# Allegro board fscvmotherboardv2.brd (continued)
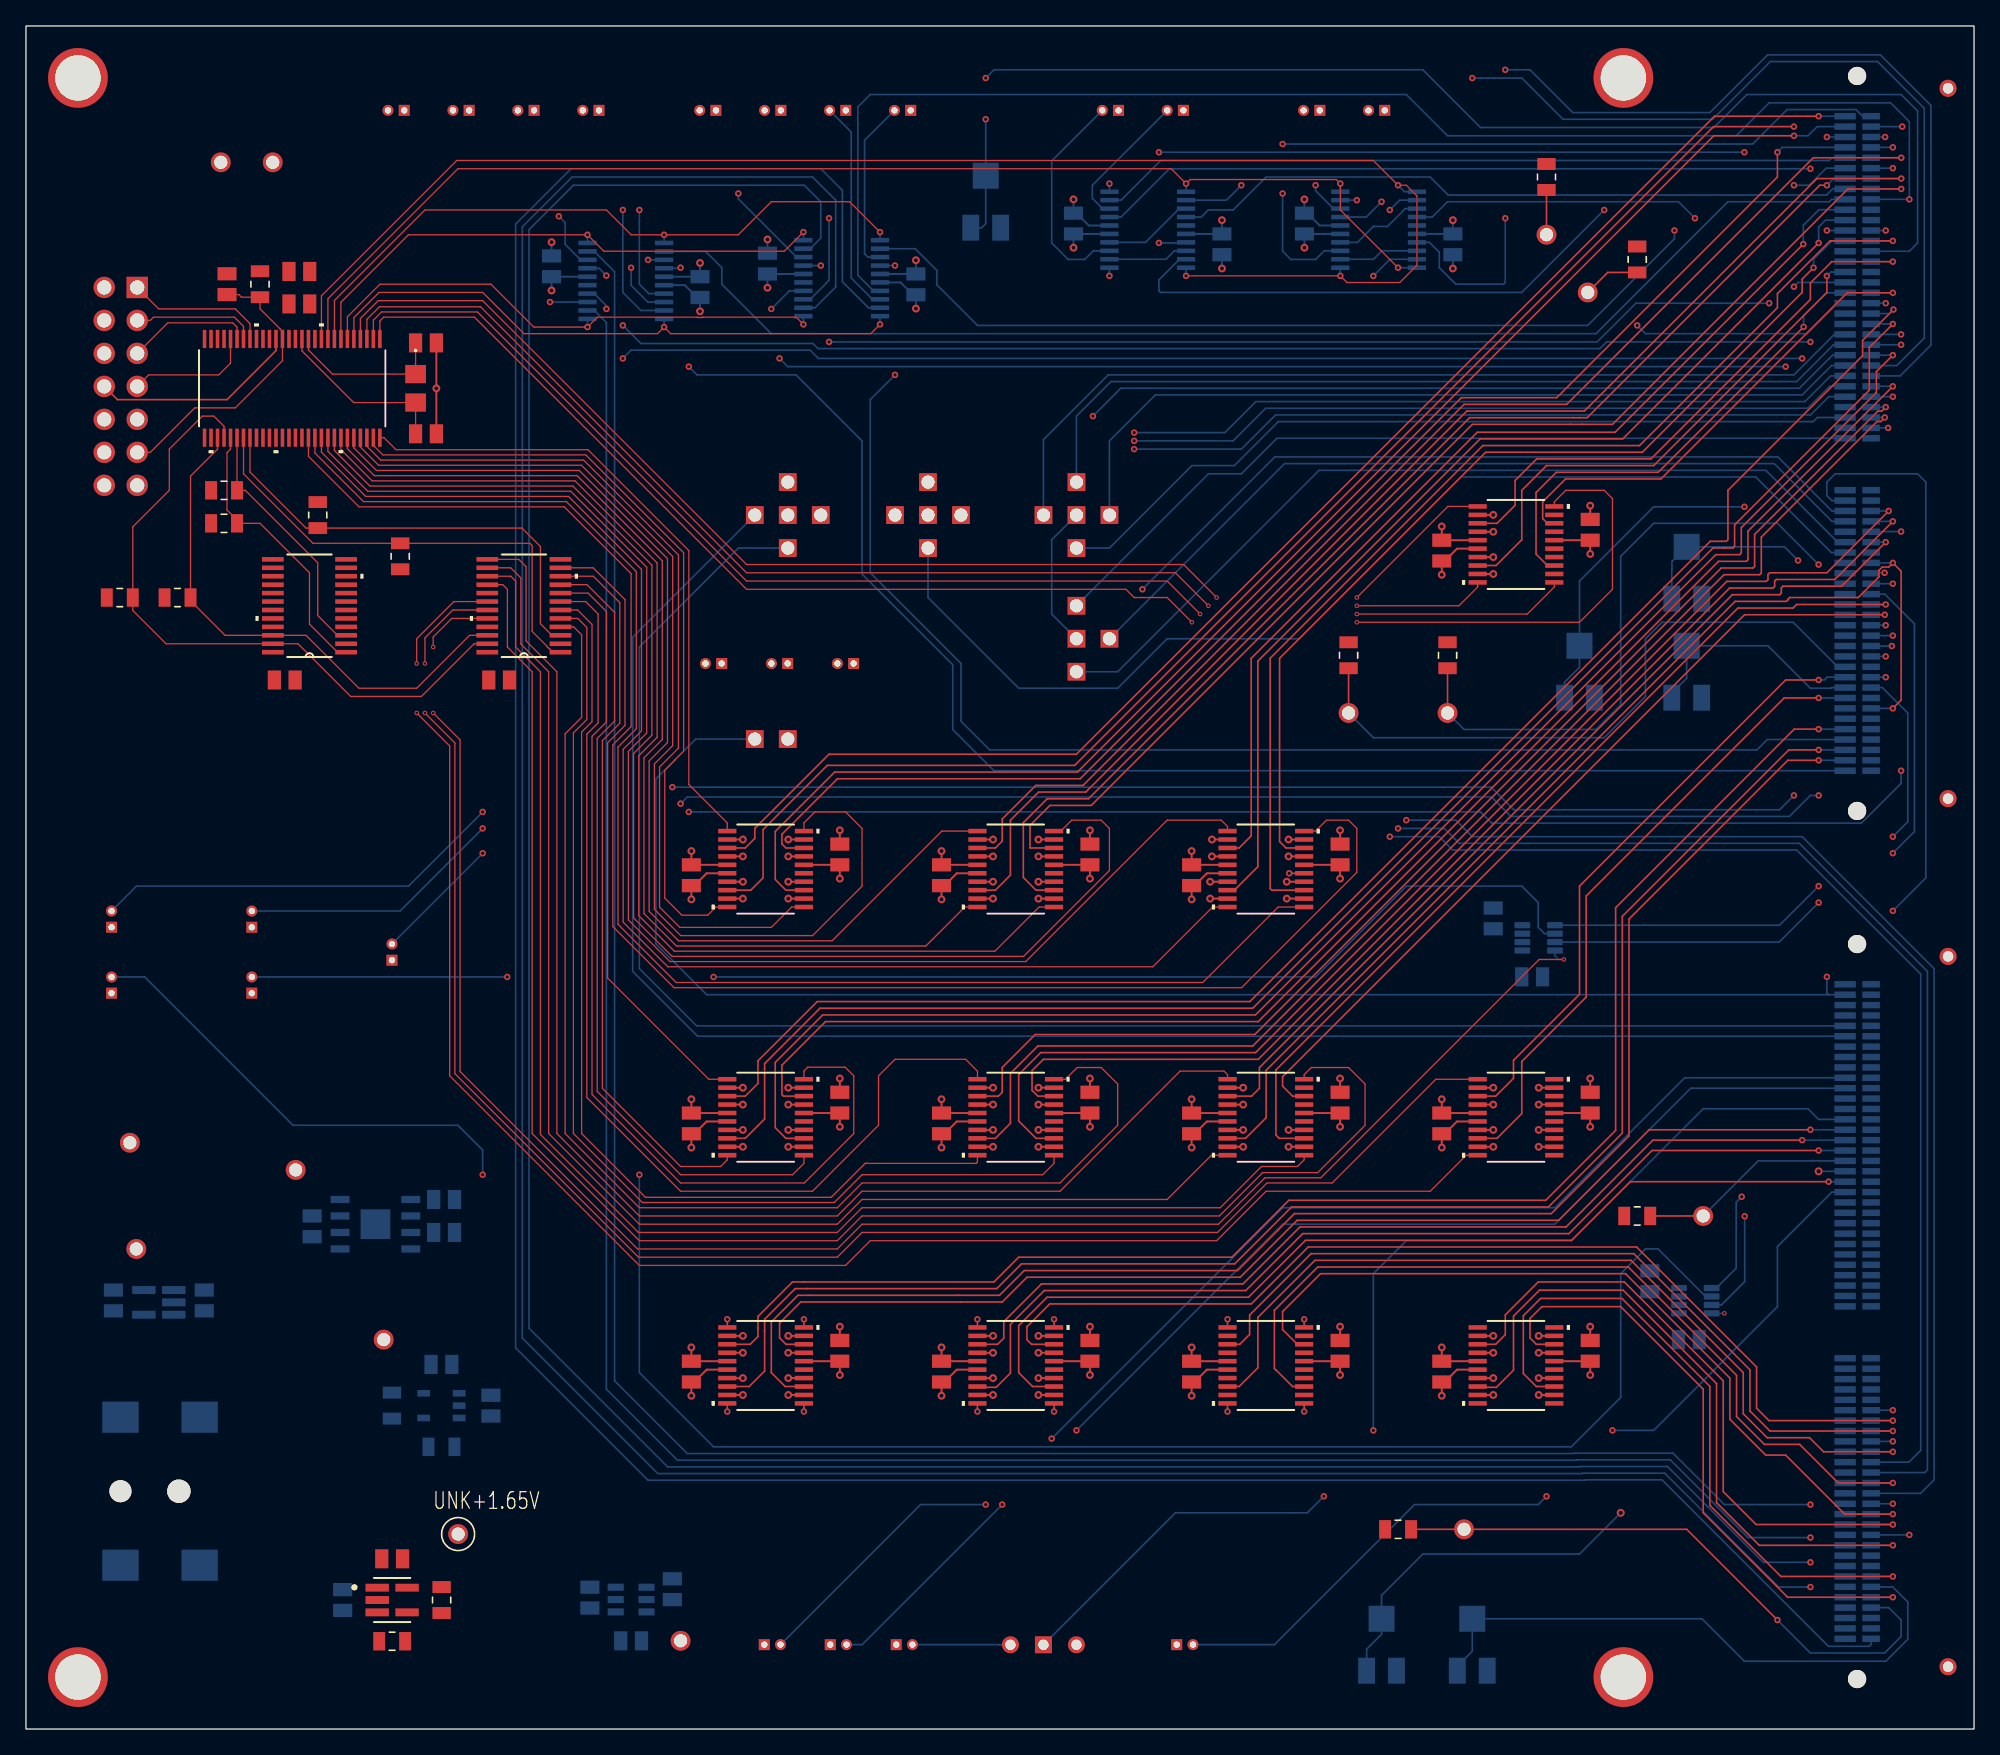
[diagram p0: board, top side]
## Routing (per net, layer and track width the routed paths; a pad name or vN(x,y) marks a point on that pad's centre or on a via; arc(x,y) is an arc through that point) (continued)
HP_BYPASS_EN_6: length 98.6
  TOP w0.127: v2(144.4,119.4) 137.9,119.4 120,101.5 110.95,101.5 81.6,72.15 77.97,72.15 75.81,69.99 75.81,65.76 74.64,64.6 U13.8
  BOTTOM w0.127: J1.67 v2(144.4,119.4)
HP_BYPASS_EN_6_SEL: length 84.4
  TOP w0.1: U13.10 72.29,63.3 69.29,60.3 50.08,60.3 47.58,62.8 47.58,74.79 48.99,76.2 48.99,89.96 42.44,96.52 26.82,96.52 24.75,98.59 U1.51
HP_BYPASS_EN_7: length 122.8
  TOP w0.127: v2(143.75,108.2) 141.93,106.38 141.93,103.1 131.56,92.73 131.56,91.08 131.44,90.95 130.77,90.95 129.9,90.95 94.46,55.51 61.14,55.51 56.88,51.25 56.88,46.98 55.38,45.49 U15.8
  BOTTOM w0.127: v2(143.75,108.2) J1.81
HP_BYPASS_EN_7_SEL: length 56
  TOP w0.1: U4.10 43.68,88.78 45.72,86.73 45.72,77.46 44.39,76.12 44.39,49.34 50.41,43.32 53.49,43.32 54,43.83 U15.10
HP_BYPASS_EN_8: length 95.6
  TOP w0.127: U14.3 74.87,48.74 75.17,49.04 75.17,50.94 77.71,53.48 94.61,53.48 130.54,89.41 132.98,89.41 133.11,89.54 133.11,92 142.6,101.49 142.89,101.49 v2(143.2,101.8)
  BOTTOM w0.127: J1.89 v2(143.2,101.8)
HP_BYPASS_EN_8_SEL: length 81.4
  TOP w0.1: U4.7 43.09,86.83 44.06,85.87 44.06,77.48 43.19,76.61 43.19,48.64 50.41,41.42 60.56,41.42 65.65,46.5 65.65,50.31 66.91,51.58 72.35,51.58 73.27,50.66 73.27,50.04 U14.1
HP_BYPASS_EN_D: length 89.1
  TOP w0.127: v2(143.75,93) 139.28,88.53 134.78,88.53 134.65,88.4 134.65,87.99 134.52,87.87 131.18,87.87 94.89,51.58 78.34,51.58 77.47,50.7 77.47,49.18 77.91,48.74 U14.18
  BOTTOM w0.127: v2(143.75,93) J1.96
HP_BYPASS_EN_D_SEL: length 97.3
  TOP w0.1: U4.4 42.17,84.88 42.78,84.26 42.78,77.91 41.52,76.64 41.52,45.86 47.23,40.15 62.47,40.15 64.38,42.05 79.62,42.05 84.06,46.5 84.06,49.67 82.79,50.94 80.94,50.94 80.04,50.04 U14.20
HPF_OUT_BUF: length 133.4
  POWER w0.127: v2(143.2,82.6) 144.38,81.42 v2(144.38,73.8) ; v2(35.17,67.44) 47.86,67.44 v2(51.04,70.62)
  BOTTOM w0.127: J1.109 v2(143.2,82.6) ; J20.1 v2(35.17,67.44) ; v2(51.04,70.62) 112,70.62 112.86,69.76 141.32,69.76 144.38,72.83 v2(144.38,73.8)
IBX_PR: length 16.8
  TOP w0.127: R14.1 IBX_PR.TP
  BOTTOM w0.127: J1.138 133.38,43.75 IBX_PR.TP
IIN_PR: length 94.6
  POWER w0.127: v2(80.89,23) v2(75.17,17.29)
  BOTTOM w0.127: J23.1 64.38,6.5 v2(75.17,17.29) ; J1.131 128.19,49.35 117.72,38.88 96.76,38.88 v2(80.89,23)
INT1: length 36.8
  TOP w0.1: 41.16,82.93 40.58,82.93 40.28,83.22 40.25,83.22 40.14,83.32 40.14,83.36 38.97,84.53 38.97,91.14 38.8,91.31 R2.1 22.1,91.31 16.75,96.66 U1.35
INT2: length 21.9
  TOP w0.1: 24.65,82.93 23.99,82.93 21.83,85.08 21.83,89.04 18.02,92.85 R6.1 16.25,93.1 15.48,93.87 15.48,98.3 15.75,98.56 U1.33
IREF_EN_12: length 40.6
  TOP w0.127: v2(138.67,111.9) 138.67,110.63 125.34,97.3 117.08,97.3 115.17,95.39 115.17,91.58 113.19,89.6 U19.8
  BOTTOM w0.127: J1.16 138.97,112.2 v2(138.67,111.9)
IREF_EN_12_SEL: length 97.9
  TOP w0.1: v1(91.05,86.5) 88.5,89.04 55.48,89.04 35,109.53 27.21,109.53 26.25,108.56 U1.3 ; v1(102.47,86.5) 110.33,86.5 111.78,87.95 U19.10
  POWER w0.1: v1(91.05,86.5) v1(102.47,86.5)
IREF_EN_34: length 52.2
  TOP w0.127: U9.13 116.3,26.38 115.3,27.38 115.3,31.83 116.63,33.16 122.89,33.16 129.66,26.39 129.66,17.22 135.13,11.75 v2(143.75,11.75)
  BOTTOM w0.127: v2(143.75,11.75) J1.234
IREF_EN_56: length 49.3
  TOP w0.127: U10.8 113.27,45.49 115.17,47.39 115.17,51.41 120.13,56.37 120.13,64.15 135.38,79.4 v2(138.03,79.4)
  BOTTOM w0.127: v2(138.03,79.4) J1.53
IREF_EN_56_SEL: length 130
  TOP w0.1: v1(30.08,78.25) 32.62,75.71 32.62,50.31 47.23,35.7 63.1,35.7 65.01,37.61 91.68,37.61 95.49,41.42 108.13,41.42 110.9,44.19 U10.10 ; U4.18 32.95,86.83 30.08,83.96 v1(30.08,82.06)
  POWER w0.1: v1(30.08,78.25) v1(30.08,82.06)
IREF_EN_78: length 43.9
  TOP w0.127: v2(143.75,113) 139.04,113 137.4,111.36 137.4,110.09 125.12,97.81 116.32,97.81 114.66,96.15 114.66,94.24 113.27,92.85 U19.3
  BOTTOM w0.127: v2(143.75,113) J1.75
IREF_EN_78_SEL: length 100.6
  TOP w0.1: v1(91.68,87.14) 89.14,89.68 55.48,89.68 35.17,110 27.12,110 25.75,108.63 U1.4 ; v1(102.47,87.14) 109.49,94.15 U19.1
  POWER w0.1: v1(91.68,87.14) v1(102.47,87.14)
IREF_EN_D: length 70.2
  TOP w0.127: U21.13 96.5,45.49 96.25,45.74 96.25,50.75 131.82,86.32 136.06,86.32 136.34,86.6 v2(143.2,86.6)
  BOTTOM w0.127: J1.104 v2(143.2,86.6)
IREF_EN_D_SEL: length 110.3
  TOP w0.1: U21.11 98.42,43.83 97.91,43.32 95.13,43.32 91.96,40.15 64.38,40.15 62.47,38.24 47.16,38.24 39.61,45.79 39.61,81.42 37.7,83.33 37.7,88.41 37.33,88.78 U4.15
IREF_IBX_12: length 26.6
  TOP w0.127: R15.1 121.8,112.17 IREF_IBX_12.TP
  POWER w0.127: v2(124.06,108.09) 121.53,110.63 IREF_IBX_12.TP
  BOTTOM w0.127: v2(124.06,108.09) 124.7,107.46 137.16,107.46 139.5,109.8 J1.19
IREF_IBX_34: length 46.2
  TOP w0.127: v2(134.86,8.4) 127.88,15.38 IREF_IBX_34.TP R16.1
  BOTTOM w0.127: v2(134.86,8.4) 137.4,5.86 143.12,5.86 144.38,7.12 144.38,8.4 143.43,9.35 J1.237
IREF_IBX_56: length 50.2
  TOP w0.127: R17.1 IREF_IBX_56.TP
  BOTTOM w0.127: J1.50 139.5,81.8 136.07,85.23 125.97,85.23 124.7,83.96 124.7,79.52 121.53,76.34 103.75,76.34 IREF_IBX_56.TP
IREF_IBX_78: length 31.9
  TOP w0.127: R18.1 IREF_IBX_78.TP
  POWER w0.127: v2(143.2,115.4) 140.26,115.4 138.67,113.81 121.53,113.81 120.25,115.08 IREF_IBX_78.TP
  BOTTOM w0.127: J1.72 v2(143.2,115.4)
IREF_IBX_D: length 53.5
  TOP w0.127: R19.1 IREF_IBX_D.TP
  POWER w0.127: v2(138.03,89.68) 138.67,89.04 v2(143.12,89.04)
  BOTTOM w0.127: J1.101 142.12,89.04 v2(143.12,89.04) ; IREF_IBX_D.TP 110.73,76.98 120.89,76.98 122.8,78.88 122.8,90.31 125.34,92.85 134.86,92.85 v2(138.03,89.68)
IREF_OFF_CHIP_PR: length 67.4
  POWER w0.127: v2(117.08,17.92) v2(122.16,23)
  BOTTOM w0.127: J1.141 139.06,41.35 134.86,37.15 134.86,32.53 125.34,23 v2(122.16,23) ; v2(117.08,17.92) 116.44,17.29 106.92,17.29 96.14,6.5 J24.1
IREF_REXT_12: length 48
  POWER w0.127: v2(132.32,94.12) 132.95,94.76 132.95,109.36 134.67,111.07 v2(136.13,111.07)
  BOTTOM w0.127: J1.17 136.46,111.4 v2(136.13,111.07) ; v2(132.32,94.12) 125.34,94.12 119.62,88.41 VR1.2 119.62,81.76 118.47,80.61 VR1.1
IREF_REXT_34: length 46.2
  BOTTOM w0.127: J1.235 142.94,10.95 142.96,10.94 143.75,10.94 144.9,9.79 144.9,6.91 143.21,5.22 132.32,5.22 129.05,8.49 111.36,8.49 111.36,5.99 110.22,4.84 110.22,4.49
IREF_REXT_56: length 18.1
  BOTTOM w0.127: VR3.1 126.72,79.77 127.88,80.92 VR3.2 134.13,83.42 137.4,80.15 139.01,80.15 139.06,80.2 J1.52
IREF_REXT_78: length 101.9
  POWER w0.127: v2(73.9,127.14) v2(73.9,123.97)
  BOTTOM w0.127: v2(73.9,123.97) VR5.2 73.9,115.92 73.59,115.62 VR5.1 ; J1.74 145.01,113.8 145.66,114.44 145.66,124.6 144.38,125.87 132.5,125.87 129.96,123.33 112,123.33 107.56,127.78 74.53,127.78 v2(73.9,127.14)
IREF_REXT_D: length 23.2
  POWER w0.127: v2(143.75,88.2) 138.24,88.2 v2(136.45,89.99)
  BOTTOM w0.127: v2(143.75,88.2) J1.102 ; v2(136.45,89.99) 135.4,91.04 VR6.2 126.74,89.91 126.74,89.35 126.72,89.33 VR6.1
IREF_SWITCH_PR: length 75
  TOP w0.127: U24.13 77.51,26.38 76.44,27.45 76.44,31.07 78.62,33.25 94.14,33.25 98.52,37.64 119.02,37.64 123.53,42.15 v2(138.8,42.15)
  BOTTOM w0.127: J1.140 v2(138.8,42.15)
IREF_SWITCH_PR_SEL: length 0.6
  TOP w0.127: U24.11 v2(79.16,24.45)
IREF_TEST_12: length 37.2
  TOP w0.127: U19.13 117.16,89.6 116.27,90.48 116.27,95.22 117.84,96.78 125.68,96.78 v2(136.88,107.98)
  BOTTOM w0.127: v2(136.88,107.98) 136.88,108.84 138.64,110.6 J1.18
IREF_TEST_12_SEL: length 103.5
  TOP w0.1: v1(90.41,85.87) 87.87,88.41 55.48,88.41 34.77,109.12 27.38,109.12 26.75,108.5 U1.2 ; U19.11 117.68,87.95 115.6,85.87 v1(102.47,85.87)
  POWER w0.1: v1(90.41,85.87) v1(102.47,85.87)
IREF_TEST_34: length 48.4
  TOP w0.127: v2(143.75,10.15) 135.65,10.15 129.15,16.65 129.15,26.18 122.8,32.53 116.72,32.53 115.81,31.61 115.81,30.11 116.3,29.63 U9.18
  BOTTOM w0.127: v2(143.75,10.15) J1.236
IREF_TEST_56: length 47.4
  TOP w0.127: U10.3 113.16,48.74 114.54,50.11 114.54,51.5 119.62,56.58 119.62,64.91 135.5,80.79 v2(138.03,80.79)
  BOTTOM w0.127: J1.51 138.69,81 138.48,80.79 v2(138.03,80.79)
IREF_TEST_56_SEL: length 130.5
  TOP w0.1: v1(30.72,82.06) 30.72,84.03 32.87,86.18 U4.19 ; U10.1 108.56,50.04 100.57,42.05 95.56,42.05 91.75,38.24 64.38,38.24 62.47,36.34 47.16,36.34 33.03,50.47 33.03,75.94 v1(30.72,78.25)
  POWER w0.1: v1(30.72,82.06) v1(30.72,78.25)
IREF_TEST_78: length 84
  TOP w0.127: U12.13 95.93,64.6 95.8,64.73 95.8,82.46 112.18,98.84 124.25,98.84 134.86,109.45 134.86,110.54 138.92,114.6 v2(143.75,114.6)
  BOTTOM w0.127: v2(143.75,114.6) J1.73
IREF_TEST_78_SEL: length 114.6
  TOP w0.1: U1.46 22.25,98.26 25.99,94.52 41.61,94.52 47,89.14 47,77.03 45.58,75.62 45.58,61.97 50.07,57.49 90.61,57.49 96.42,63.3 U12.11
IREF_TEST_D: length 70.6
  TOP w0.127: v2(143.2,91.4) 139.81,88.01 135.29,88.01 135.16,87.89 135.16,87.48 135.03,87.35 131.39,87.35 94.98,50.94 94.98,49.34 94.37,48.74 U21.3
  BOTTOM w0.127: J1.98 v2(143.2,91.4)
IREF_TEST_D_SEL: length 107.2
  TOP w0.1: U21.1 92.52,50.39 92.25,50.67 88.87,50.67 79.62,41.42 64.38,41.42 62.47,39.51 47.23,39.51 40.88,45.86 40.88,81.42 38.5,83.8 38.5,89.51 37.94,90.08 U4.13
Net_50: length 1.2
  TOP w0.15: 117.68,48.09 v3(116.48,48.09)
Net_51: length 1.2
  TOP w0.15: 117.68,49.39 v3(116.48,49.39)
Net_52: length 1.2
  TOP w0.15: 117.68,46.14 v3(116.48,46.14)
Net_53: length 1.2
  TOP w0.15: 117.68,44.84 v3(116.48,44.84)
RESET1: length 35.3
  TOP w0.1: 41.16,84.23 40.5,84.23 39.61,85.11 39.61,91.07 38.19,92.49 R3.1 21.56,92.49 17.25,96.8 U1.36
RESET2: length 19.5
  TOP w0.1: 24.65,84.23 23.99,84.23 22.47,85.75 22.47,89.81 16.89,95.39 R7.1 U1.34
REXT_PR: length 62.3
  POWER w0.127: v4(122.8,16.65) 134.22,28.08 134.22,39.64 137.54,42.95 v4(138.03,42.95)
  BOTTOM w0.127: VR4.1 103.23,6.15 104.38,7.3 VR4.2 104.38,10.3 107.56,13.48 119.62,13.48 v4(122.8,16.65) ; v4(138.03,42.95) J1.139
RST: length 22.3
  TOP w0.1: 15.48,110.47 16.39,110.47 16.59,110.27 R1.2 18.02,109.37 19.57,107.82 19.57,107.81 19.75,107.63 U1.16 19.75,105.38 16.11,101.74 12.99,101.74 9.57,98.31 J2.11
SCL: length 40.7
  TOP w0.1: U1.31 14.75,98.56 12.67,96.49 R5.1 12.67,86.89 15.33,84.23 21.56,84.23 25.64,80.15 30.08,80.15 34.16,84.23 35.52,84.23
SDA: length 51.8
  TOP w0.1: U1.32 15.25,100.32 14.47,101.11 13.58,101.11 11.03,98.56 11.03,95.39 8.22,92.58 R4.1 8.22,86.14 10.78,83.58 U6.23 20.94,83.58 25,79.52 30.45,79.52 34.51,83.58 U4.23
SEL1_PR: length 76.6
  TOP w0.127: U24.8 73.32,26.31 74.71,26.31 75.81,27.41 75.81,31.16 78.41,33.77 93.92,33.77 98.31,38.15 118.8,38.15 125.2,44.55 v2(138.03,44.55)
  BOTTOM w0.127: v2(138.03,44.55) J1.137
SEL1_PR_SEL: length 0.6
  TOP w0.127: U24.10 v2(73.26,24.45)
SEL2_PR: length 74.1
  TOP w0.127: U24.3 74.81,29.63 75.29,30.11 75.29,31.38 78.19,34.28 93.71,34.28 98.09,38.66 118.59,38.66 125.28,45.35 v2(136.76,45.35)
  BOTTOM w0.127: J1.136 v2(136.76,45.35)
SEL2_PR_SEL: length 0.6
  TOP w0.127: U24.1 v2(73.26,31.55)
SEL3_PR: length 91.4
  TOP w0.127: U17.18 58.52,29.63 58.02,30.12 58.02,31.26 59.66,32.89 72,32.89 72,32.89 75.17,32.89 77.08,34.79 93.5,34.79 97.88,39.18 118.02,39.18 124.99,46.15 v2(137.4,46.15)
  BOTTOM w0.127: J1.135 v2(137.4,46.15)
SEL3_PR_SEL: length 0.6
  TOP w0.127: U17.20 v2(59.9,31.55)
SENSOR_1: length 98.6
  BOTTOM w0.127: J1.9 139.04,117.8 138.85,117.62 131.05,117.62 120.89,107.46 57.39,107.46 53.58,111.27 53.58,112.53 52.33,113.79 U20.2
SENSOR_2: length 116.3
  POWER w0.127: v2(45.96,116.98) 45.96,124.06 50.71,128.8 115.42,128.8 122.16,122.06 137.4,122.06 137.94,122.6 v2(138.67,122.6)
  BOTTOM w0.127: v2(138.67,122.6) J1.3 ; v2(45.96,116.98) 45.96,110.63 47.35,109.24 U20.9
SENSOR_3: length 192.3
  POWER w0.127: v2(137.4,17.29) 143.24,17.29 143.31,17.35 v2(143.75,17.35)
  BOTTOM w0.127: J1.227 v2(143.75,17.35) ; U20.19 43.76,113.79 45.33,112.22 45.33,26.81 50.92,21.22 119.2,21.22 119.23,21.25 126.82,21.25 130.78,17.29 v2(137.4,17.29)
SENSOR_4: length 197.4
  POWER w0.127: v2(143.75,22.15) 144.38,21.52 144.38,15.38 143.75,14.75 v2(137.4,14.75)
  BOTTOM w0.127: v2(137.4,14.75) 132.6,14.75 126.61,20.73 119.44,20.73 119.41,20.7 50.16,20.7 44.69,26.18 44.69,108.31 43.76,109.24 U20.12 ; v2(143.75,22.15) J1.221
SENSOR_5: length 120
  POWER w0.127: v2(51.04,104.92) 50.41,105.55 v2(50.41,112.53)
  BOTTOM w0.127: v2(50.41,112.53) 50.36,112.49 U20.4 ; v2(51.04,104.92) 51.67,104.28 59.3,104.28 64.38,99.2 64.38,88.95 71.36,81.96 71.36,76.98 74.53,73.8 J1.60
SENSOR_6: length 119.2
  POWER w0.127: v2(47.23,116.98) 47.23,124.6 50.92,128.29 114.66,128.29 123.43,119.52 143.07,119.52 v2(143.75,120.2)
  BOTTOM w0.127: v2(47.23,116.98) 47.23,111.27 47.95,110.54 U20.7 ; J1.66 v2(143.75,120.2)
SENSOR_7: length 108
  POWER w0.127: v2(45.96,108.09) 45.96,110.66 v2(44.69,111.93) ; v2(137.4,106.82) 143.81,106.82 v2(144.38,107.4)
  BOTTOM w0.127: J1.82 v2(144.38,107.4) ; v2(45.96,108.09) 47.35,106.7 60.59,106.7 60.99,106.31 121.19,106.31 121.71,106.82 v2(137.4,106.82) ; U20.17 44.13,112.49 v2(44.69,111.93)
SENSOR_8: length 107.6
  POWER w0.127: v2(45.96,105.55) 44.69,106.82 v2(44.69,109.36) ; v2(143.75,102.6) 140.35,102.6 137.4,105.55 v2(136.76,105.55)
  BOTTOM w0.127: v2(45.96,105.55) 46.59,106.19 60.38,106.19 61.02,105.55 v2(136.76,105.55) ; v2(44.69,109.36) 44.69,109.61 43.76,110.54 U20.14 ; J1.88 v2(143.75,102.6)
SENSOR_A: length 14.8
  POWER w0.127: v2(47.89,113.14) 42.88,118.16 J4.1
  BOTTOM w0.127: U20.3 v2(47.89,113.14)
SENSOR_B: length 20.2
  POWER w0.127: v2(46.59,112.53) 37.88,121.25 J8.1
  BOTTOM w0.127: v2(46.59,112.53) 46.59,111.17 47.88,109.89 U20.8
SENSOR_C: length 16.1
  POWER w0.127: v2(41.03,116.5) J12.1
  BOTTOM w0.127: v2(41.03,116.5) 41.52,116.01 41.52,114.34 42.71,113.14 U20.18
SENSOR_CD: length 164.6
  POWER w0.127: v2(144.38,92.22) 145.66,90.95 145.66,89.38 143.41,87.14 138.67,87.14 136.13,84.59 v2(136.13,71.9) ; v2(35.17,70.62) 47.86,70.62 v2(49.77,72.53)
  BOTTOM w0.127: v2(136.13,71.9) 135.03,70.79 114.56,70.79 112.82,72.53 v2(49.77,72.53) ; J15.1 8.5,64.91 29.45,64.91 v2(35.17,70.62) ; v2(144.38,92.22) 142.96,92.22 142.94,92.2 J1.97
SENSOR_D: length 22.8
  POWER w0.127: J16.1 27.88,122.37 v2(40.35,109.89)
  BOTTOM w0.127: U20.13 v2(40.35,109.89)
SNFET_1_VD: length 67.9
  BOTTOM w0.127: SNFET_1_VD.TP 84.06,81.42 99.57,96.93 133.97,96.93 139.5,91.4 J1.38
SNFET_2_VD: length 64.1
  BOTTOM w0.127: SNFET_2_VD.TP 96.91,97.45 134.61,97.45 139.06,93 J1.36
SNFET_3_VD: length 63.4
  BOTTOM w0.127: SNFET_3_VD.TP 83.42,90.95 89.78,97.3 93.04,97.3 96.43,100.68 137.62,100.68 137.94,101 J1.30
SNFET_4_VD: length 64.5
  BOTTOM w0.127: J1.32 96.33,99.4 93.59,96.66 91.05,96.66 SNFET_4_VD.TP
SNFET_5_VB: length 78.7
  POWER w0.127: SNFET_5_VB.TP 66.91,95.39 71.36,99.84 v2(85.33,99.84)
  BOTTOM w0.127: v2(85.33,99.84) 92.31,99.84 94.7,102.22 136.98,102.22 138.96,104.2 J1.26
SNFET_5_VD: length 64.8
  BOTTOM w0.127: SNFET_5_VD.TP 83.42,99.2 86.96,102.74 136.77,102.74 139.03,105 J1.25
SNFET_5_VS: length 85.5
  POWER w0.127: SNFET_5_VS.TP 63.74,101.11 v2(82.16,101.11)
  BOTTOM w0.127: v2(82.16,101.11) 84.3,103.25 136.56,103.25 138.82,105.51 138.83,105.51 139.12,105.8 J1.24
SNFET_SHARED_VB: length 86.5
  BOTTOM w0.127: SNFET_SHARED_VB.TP 69.45,87.14 76.44,80.15 84.06,80.15 87.87,83.96 98.03,83.96 110.49,96.42 133.2,96.42 139.01,90.6 J1.39
SNFET_SHARED_VS: length 87.2
  POWER w0.127: SNFET_SHARED_VS.TP 66.91,87.77 v2(85.97,87.77)
  BOTTOM w0.127: J1.35 139.06,93.8 134.9,97.96 96.15,97.96 v2(85.97,87.77)
SPFET_1_VB: length 73.7
  POWER w0.127: v2(85.33,99.2) 72.63,99.2 SPFET_1_VB.TP
  BOTTOM w0.127: v2(85.33,99.2) 92.95,99.2 95.46,101.71 137.19,101.71 138.88,103.4 J1.27
SPFET_1_VD: length 66.5
  BOTTOM w0.127: SPFET_1_VD.TP 80.89,101.11 83.55,103.77 136.34,103.77 139.18,106.6 J1.23
SPFET_1_VS: length 134.5
  BOTTOM w0.127: SPFET_1_VS.TP 46.72,84.08 46.72,58.35 51.71,53.35 J1.126
SPFET_2_VB: length 71.9
  POWER w0.127: SPFET_2_VB.TP 77.08,98.56 v2(85.33,98.56)
  BOTTOM w0.127: v2(85.33,98.56) 93.59,98.56 96.22,101.2 137.41,101.2 138.81,102.6 J1.28
SPFET_2_VD: length 70.9
  BOTTOM w0.127: SPFET_2_VD.TP 78.34,99.29 83.33,104.28 136.13,104.28 139.25,107.4 J1.22
SPFET_2_VS: length 134
  BOTTOM w0.127: J1.125 51.64,54.15 47.23,58.56 47.23,83.33 54.85,90.95 SPFET_2_VS.TP
T_VRPS_AB: length 17.1
  BOTTOM w0.127: U22.3 82.19,113.84 81.52,113.17 80.25,113.17 78.98,114.44 78.98,120.75 J14.1
T_VRPS_AB_C: length 7
  BOTTOM w0.127: U22.4 86.2,114.49 88.8,117.09 U22.13
T_VRPS_AB_M: length 6.2
  BOTTOM w0.127: U22.18 88.43,113.84 87.78,113.19 U22.2
T_VRPS_C_12: length 52.8
  BOTTOM w0.127: 89.33,116.44 90.5,116.44 91.05,116.98 92.95,116.98 95.49,119.52 108.12,119.52 109.51,118.13 138.64,118.13 139.11,118.6 J1.8
T_VRPS_C_34: length 139.9
  POWER w0.127: v2(105.02,116.98) 105.02,71.26 v2(106.28,69.99)
  BOTTOM w0.127: J1.226 145.88,18.15 146.93,19.19 146.93,58.56 136.76,68.72 111.36,68.72 110.09,69.99 v2(106.28,69.99) ; U23.12 105.77,117.74 v2(105.02,116.98)
T_VRPS_C_56: length 55.9
  POWER w0.127: v2(93.59,118.89) v2(96.76,122.06)
  BOTTOM w0.127: v2(96.76,122.06) 132.95,122.06 135.61,124.71 140.91,124.71 141.42,124.2 J1.61 ; U22.12 92.44,117.74 v2(93.59,118.89)
T_VRPS_C_78: length 50.5
  POWER w0.127: v2(128.51,116.34) 143.75,116.34 145.02,115.08 145.02,107.24 v2(144.38,106.6)
  BOTTOM w0.127: 107.11,116.44 108.28,116.44 109.46,117.62 127.24,117.62 v2(128.51,116.34) ; v2(144.38,106.6) J1.83
T_VRPS_C_D: length 51.5
  POWER w0.127: v2(143.75,67.45) 139.94,63.64 v2(138.03,63.64)
  BOTTOM w0.127: U25.7 135,60.6 v2(138.03,63.64) ; v2(143.75,67.45) 145.41,69.11 145.41,85.11 143.13,87.4 J1.103
T_VRPS_CD: length 16.5
  POWER w0.127: J18.1 98.38,119.87 v2(96.76,118.25)
  BOTTOM w0.127: U23.3 99.97,113.84 99.3,113.17 97.39,113.17 96.76,113.81 v2(96.76,118.25)
T_VRPS_CD_C: length 7
  BOTTOM w0.127: U23.4 102.52,114.49 103.75,115.71 104.84,115.71 106.21,117.09 U23.13
T_VRPS_CD_M: length 6.2
  BOTTOM w0.127: U23.18 104.41,113.84 103.76,113.19 U23.2
T_VRPS_D: length 105.9
  POWER w0.127: v2(37.06,57.92) v2(52.95,57.92)
  BOTTOM w0.127: J11.1 v2(37.06,57.92) ; v2(52.95,57.92) 99.29,57.92 106.28,64.91 115.17,64.91 116.44,63.64 116.44,61.74 116.93,61.25 U25.6
T_VRPS_D_SEL: length 174.9
  TOP w0.1: v1(118.42,59.26) 116.51,59.26 99.7,42.45 95.39,42.45 91.82,38.88 64.38,38.88 62.47,36.97 47.09,36.97 33.42,50.64 33.42,76.18 v1(31.36,78.25) ; U4.20 32.78,85.53 31.36,84.1 v1(31.36,83.33)
  POWER w0.1: v1(118.42,59.26) 120.82,59.26 130.78,49.31 v1(130.78,32.01) ; v1(31.36,83.33) v1(31.36,78.25)
  BOTTOM w0.1: v1(118.42,59.26) 118,59.26 117.73,59.53 U25.8 ; 129.8,32.01 v1(130.78,32.01)
T_VRPS_M_12: length 60.4
  POWER w0.127: v2(136.13,118.89) 135.5,118.89 133.59,116.98 v2(121.53,116.98)
  BOTTOM w0.127: U22.19 88.83,113.19 87.23,111.59 87.23,110.76 87.36,110.63 115.17,110.63 v2(121.53,116.98) ; J1.6 138.62,120.2 137.31,118.89 v2(136.13,118.89)
T_VRPS_M_34: length 133.7
  POWER w0.127: v2(103.75,111.9) 103.75,71.08 105.02,69.81 v2(105.02,68.72)
  BOTTOM w0.127: J1.223 144.98,20.55 145.9,21.46 145.9,58.13 136.34,67.69 109.85,67.69 108.83,68.72 v2(105.02,68.72) ; v2(103.75,111.9) 105.03,113.19 U23.19
T_VRPS_M_56: length 67.1
  POWER w0.127: v2(132.32,121.43) 132.95,120.79 137.65,120.79 138.28,121.43 141.98,121.43 v2(143.15,122.6) ; v2(87.23,114.44) v2(87.23,121.43)
  BOTTOM w0.127: U22.17 89.28,114.44 v2(87.23,114.44) ; v2(87.23,121.43) v2(132.32,121.43) ; v2(143.15,122.6) J1.63
T_VRPS_M_78: length 86.9
  POWER w0.127: v2(113.91,116.34) v2(113.91,127.78)
  BOTTOM w0.127: U23.17 108.06,114.49 108.83,113.72 108.83,112.53 110.09,111.27 113.78,111.27 113.91,111.39 v2(113.91,116.34) ; v2(113.91,127.78) 115.81,127.78 119.11,124.48 129.66,124.48 134.1,128.92 142.78,128.92 146.68,125.03 146.68,106.58 144.31,104.2 J1.86
T_VRPS_M_D: length 42.5
  POWER w0.127: v2(138.03,64.91) 139.94,64.91 v2(143.75,68.72)
  BOTTOM w0.127: v2(138.03,64.91) 135.03,61.9 U25.5 ; v2(143.75,68.72) 144.9,69.87 144.9,78.24 142.94,80.2 J1.112
TCK: length 9.8
  TOP w0.1: U1.24 15.75,105.19 14.84,104.28 9.45,104.28 J2.7
TDI: length 9.6
  TOP w0.1: J2.3 9.57,108.48 9.82,108.73 16.05,108.73 16.75,108.02 U1.22
TDO: length 11
  TOP w0.1: J2.1 10.22,109.36 16.12,109.36 17.25,108.23 U1.21
TEST: length 16.1
  TOP w0.127: J2.8 7.05,102.38 15.48,102.38 19.25,106.15 U1.17
TEST_EN_D: length 1.1
  BOTTOM w0.127: J1.106 v2(143.2,85)
TIA_C_OUT_BUF: length 61.7
  POWER w0.127: v2(132.34,39.49) 135.5,42.64 135.5,63.1 146.17,73.77 146.17,82.22 144.19,84.2 v2(143.75,84.2)
  BOTTOM w0.127: v2(132.34,39.49) 132.34,34.45 130.55,32.66 129.8,32.66 ; J1.107 v2(143.75,84.2)
TIA_M_OUT_BUF: length 58.6
  POWER w0.127: v2(132.11,40.99) 134.86,43.74 134.86,63.3 145.66,74.1 145.66,81.42 v2(143.68,83.4)
  BOTTOM w0.127: 129.8,33.96 130.16,33.96 131.69,35.49 131.69,40.57 v2(132.11,40.99) ; J1.108 v2(143.68,83.4)
TIA_OUT_BUF: length 161.6
  POWER w0.127: v2(35.17,42.69) v2(47.23,42.69)
  BOTTOM w0.127: J19.1 9.14,57.92 20.56,46.5 33.26,46.5 35.17,44.59 v2(35.17,42.69) ; 129.8,33.31 129.33,33.31 125.67,36.97 124.7,36.97 122.8,35.07 122.8,25.54 118.98,21.73 52.95,21.73 47.23,27.45 v2(47.23,42.69)
TMS: length 9.7
  TOP w0.1: J2.5 10.92,108.29 15.92,108.29 16.25,107.95 U1.23
VB: length 25.7
  POWER w0.127: VB.TP 67.55,91.58 66.28,91.58 64.38,93.49 64.38,94.63 64.25,94.76 60.56,94.76 59.93,94.12 59.93,89.68 57.4,87.15 J27.1
VD: length 30.8
  POWER w0.127: J26.1 63.1,81.44 78.36,81.44 VD2.TP
  BOTTOM w0.127: VD1.TP 78.98,91.58 78.98,85.87 VD2.TP
VOUT_PR: length 100.1
  POWER w0.127: v2(78.98,22.37) v2(73.9,17.29)
  BOTTOM w0.127: v2(78.98,22.37) 96.76,40.15 117.72,40.15 127.72,50.15 J1.130 ; J21.1 68.88,17.29 v2(73.9,17.29)
VRPS_12: length 58
  BOTTOM w0.127: U22.9 84.32,117.74 87.37,120.79 138.85,120.79 139.06,121 J1.5
VRPS_34: length 139.1
  POWER w0.127: v2(102.47,117.74) 104.38,115.83 104.38,71.17 105.65,69.9 v2(105.65,69.36)
  BOTTOM w0.127: v2(102.47,117.74) U23.9 ; v2(105.65,69.36) 109.21,69.36 110.36,68.21 136.55,68.21 146.41,58.35 146.41,19.95 146.22,19.75 J1.224
VRPS_56: length 64.2
  POWER w0.127: v2(143.75,121.8) 142.74,120.79 138.67,120.79 138.03,120.16 v2(137.4,120.16)
  BOTTOM w0.127: 83.42,116.44 84.32,116.44 88.04,120.16 v2(137.4,120.16) ; v2(143.75,121.8) J1.64
VRPS_78: length 78.2
  POWER w0.127: v2(111.36,127.14) 111.36,125.87 104.38,118.89 v2(104.38,117.62)
  BOTTOM w0.127: v2(111.36,127.14) 115.17,127.14 118.35,123.97 129.87,123.97 134.32,128.41 142.57,128.41 146.17,124.81 146.17,107.11 144.06,105 J1.85 ; 101.2,116.44 103.2,116.44 v2(104.38,117.62)
VRPS_AB: length 10.8
  BOTTOM w0.127: U22.8 82.9,117.09 82.11,117.88 82.11,118.89 J6.1
VRPS_CD: length 10.3
  POWER w0.127: J10.1 99.3,120.58 v2(99.3,118.89)
  BOTTOM w0.127: U23.8 100.68,117.09 99.3,118.47 v2(99.3,118.89)
VRPS_D: length 140.2
  POWER w0.127: v2(50.41,71.26) 48.5,69.36 v2(35.17,69.36) ; v2(143.2,81) 143.2,73.25 141.84,71.9 v2(138.03,71.9)
  BOTTOM w0.127: v2(138.03,71.9) 137.4,71.9 135.78,70.28 114.35,70.28 112.85,71.77 50.92,71.77 v2(50.41,71.26) ; J7.1 28.81,63 v2(35.17,69.36) ; J1.111 v2(143.2,81)
VS: length 14.1
  POWER w0.127: VS.TP 52.32,87.15 J25.1
XIN: length 13.7
  TOP w0.1: C2.1 X1.2 25.23,102.15 21.25,106.13 U1.13
XOUT: length 12.3
  TOP w0.1: U1.12 21.75,106.2 23.61,104.34 X1.1 C1.1
N392499: length 1.2
  TOP w0.127: U12.15 v2(97.27,65.9)
